# KiCad board vcu.kicad_pcb (continued)
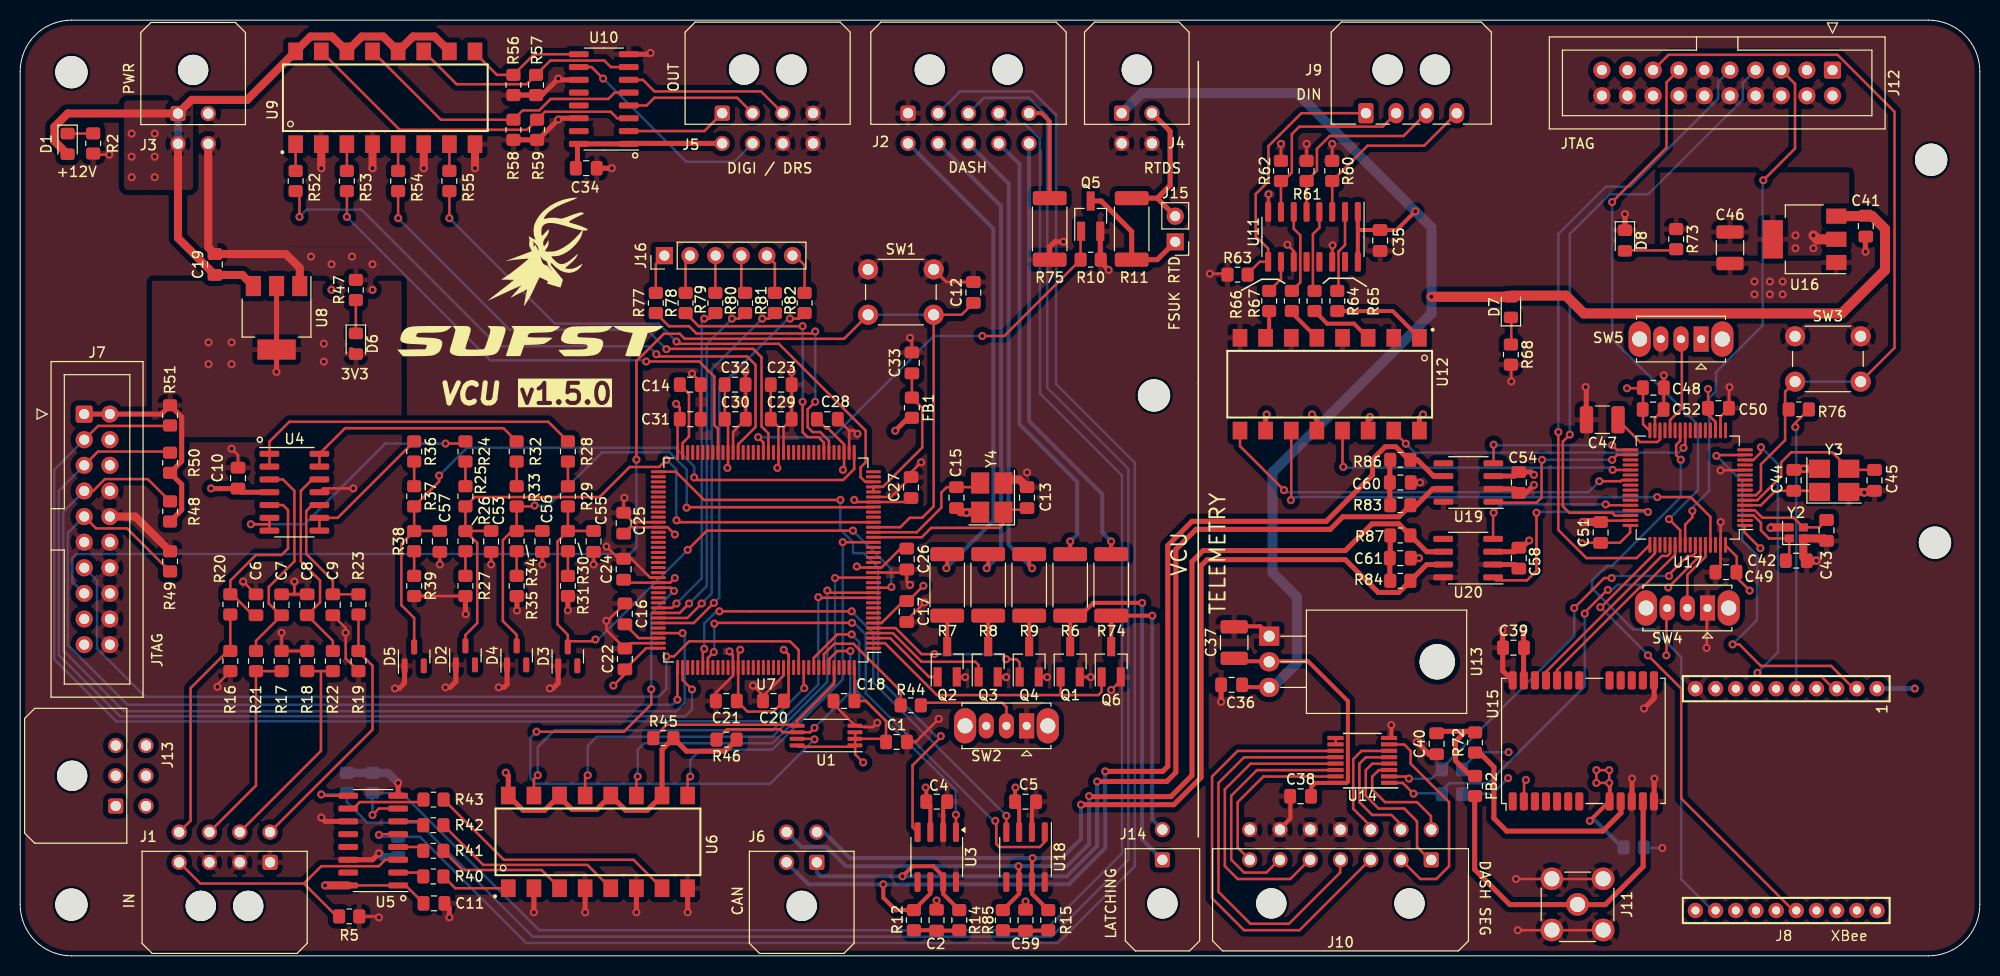
[diagram p0: board, top side]
## Footprints (pads in the part's own frame, mm; a bottom-side part is the same pattern mirrored in y, then rotated)
C_0805_2012Metric_Pad1.18x1.45mm_HandSolder
  rrect 1.175x1.45 smd: 1(-1.038,0) 2(1.038,0)
C_1210_3225Metric_Pad1.33x2.70mm_HandSolder
  rrect 1.325x2.7 smd: 1(-1.562,0) 2(1.562,0)
Crystal_SMD_2016-4Pin_2.0x1.6mm
  rect 0.9x0.8 smd: 1(-0.7,-0.55) 2(0.7,-0.55) 3(0.7,0.55) 4(-0.7,0.55)
Crystal_SMD_3225-4Pin_3.2x2.5mm_HandSoldering
  rect 2.1x1.8 smd: 1(-1.45,-1.15) 2(1.45,-1.15) 3(1.45,1.15) 4(-1.45,1.15)
IDC-Header_2x10_P2.54mm_Vertical
  rrect 1.7x1.7 hole 1: 1(0,0)
  round 1.7 hole 1: 2(2.54,0) 3(0,-2.54) 4(2.54,-2.54) 5(0,-5.08) 6(2.54,-5.08) 7(0,-7.62) 8(2.54,-7.62) 9(0,-10.16) 10(2.54,-10.16) 11(0,-12.7) 12(2.54,-12.7) 13(0,-15.24) 14(2.54,-15.24) 15(0,-17.78) 16(2.54,-17.78) 17(0,-20.32) 18(2.54,-20.32) 19(0,-22.86) 20(2.54,-22.86)
LED_0805_2012Metric_Pad1.15x1.40mm_HandSolder
  rrect 1.15x1.4 smd: 1(-1.025,0) 2(1.025,0)
LQFP-64_10x10mm_P0.5mm
  rrect 1.55x0.3 smd: 1(-5.675,3.75) 2(-5.675,3.25) 3(-5.675,2.75) 4(-5.675,2.25) 5(-5.675,1.75) 6(-5.675,1.25) 7(-5.675,0.75) 8(-5.675,0.25) 9(-5.675,-0.25) 10(-5.675,-0.75) 11(-5.675,-1.25) 12(-5.675,-1.75) 13(-5.675,-2.25) 14(-5.675,-2.75) 15(-5.675,-3.25) 16(-5.675,-3.75) 33(5.675,-3.75) 34(5.675,-3.25) 35(5.675,-2.75) 36(5.675,-2.25) 37(5.675,-1.75) 38(5.675,-1.25) 39(5.675,-0.75) 40(5.675,-0.25) 41(5.675,0.25) 42(5.675,0.75) 43(5.675,1.25) 44(5.675,1.75) 45(5.675,2.25) 46(5.675,2.75) 47(5.675,3.25) 48(5.675,3.75)
  rrect 0.3x1.55 smd: 17(-3.75,-5.675) 18(-3.25,-5.675) 19(-2.75,-5.675) 20(-2.25,-5.675) 21(-1.75,-5.675) 22(-1.25,-5.675) 23(-0.75,-5.675) 24(-0.25,-5.675) 25(0.25,-5.675) 26(0.75,-5.675) 27(1.25,-5.675) 28(1.75,-5.675) 29(2.25,-5.675) 30(2.75,-5.675) 31(3.25,-5.675) 32(3.75,-5.675) 49(3.75,5.675) 50(3.25,5.675) 51(2.75,5.675) 52(2.25,5.675) 53(1.75,5.675) 54(1.25,5.675) 55(0.75,5.675) 56(0.25,5.675) 57(-0.25,5.675) 58(-0.75,5.675) 59(-1.25,5.675) 60(-1.75,5.675) 61(-2.25,5.675) 62(-2.75,5.675) 63(-3.25,5.675) 64(-3.75,5.675)
LQFP-144_20x20mm_P0.5mm
  rrect 1.475x0.3 smd: 1(-10.662,8.75) 2(-10.662,8.25) 3(-10.662,7.75) 4(-10.662,7.25) 5(-10.662,6.75) 6(-10.662,6.25) 7(-10.662,5.75) 8(-10.662,5.25) 9(-10.662,4.75) 10(-10.662,4.25) 11(-10.662,3.75) 12(-10.662,3.25) 13(-10.662,2.75) 14(-10.662,2.25) 15(-10.662,1.75) 16(-10.662,1.25) 17(-10.662,0.75) 18(-10.662,0.25) 19(-10.662,-0.25) 20(-10.662,-0.75) 21(-10.662,-1.25) 22(-10.662,-1.75) 23(-10.662,-2.25) 24(-10.662,-2.75) 25(-10.662,-3.25) 26(-10.662,-3.75) 27(-10.662,-4.25) 28(-10.662,-4.75) 29(-10.662,-5.25) 30(-10.662,-5.75) 31(-10.662,-6.25) 32(-10.662,-6.75) 33(-10.662,-7.25) 34(-10.662,-7.75) 35(-10.662,-8.25) 36(-10.662,-8.75) 73(10.662,-8.75) 74(10.662,-8.25) 75(10.662,-7.75) 76(10.662,-7.25) 77(10.662,-6.75) 78(10.662,-6.25) 79(10.662,-5.75) 80(10.662,-5.25) 81(10.662,-4.75) 82(10.662,-4.25) 83(10.662,-3.75) 84(10.662,-3.25) 85(10.662,-2.75) 86(10.662,-2.25) 87(10.662,-1.75) 88(10.662,-1.25) 89(10.662,-0.75) 90(10.662,-0.25) 91(10.662,0.25) 92(10.662,0.75) 93(10.662,1.25) 94(10.662,1.75) 95(10.662,2.25) 96(10.662,2.75) 97(10.662,3.25) 98(10.662,3.75) 99(10.662,4.25) 100(10.662,4.75) 101(10.662,5.25) 102(10.662,5.75) 103(10.662,6.25) 104(10.662,6.75) 105(10.662,7.25) 106(10.662,7.75) 107(10.662,8.25) 108(10.662,8.75)
  rrect 0.3x1.475 smd: 37(-8.75,-10.662) 38(-8.25,-10.662) 39(-7.75,-10.662) 40(-7.25,-10.662) 41(-6.75,-10.662) 42(-6.25,-10.662) 43(-5.75,-10.662) 44(-5.25,-10.662) 45(-4.75,-10.662) 46(-4.25,-10.662) 47(-3.75,-10.662) 48(-3.25,-10.662) 49(-2.75,-10.662) 50(-2.25,-10.662) 51(-1.75,-10.662) 52(-1.25,-10.662) 53(-0.75,-10.662) 54(-0.25,-10.662) 55(0.25,-10.662) 56(0.75,-10.662) 57(1.25,-10.662) 58(1.75,-10.662) 59(2.25,-10.662) 60(2.75,-10.662) 61(3.25,-10.662) 62(3.75,-10.662) 63(4.25,-10.662) 64(4.75,-10.662) 65(5.25,-10.662) 66(5.75,-10.662) 67(6.25,-10.662) 68(6.75,-10.662) 69(7.25,-10.662) 70(7.75,-10.662) 71(8.25,-10.662) 72(8.75,-10.662) 109(8.75,10.662) 110(8.25,10.662) 111(7.75,10.662) 112(7.25,10.662) 113(6.75,10.662) 114(6.25,10.662) 115(5.75,10.662) 116(5.25,10.662) 117(4.75,10.662) 118(4.25,10.662) 119(3.75,10.662) 120(3.25,10.662) 121(2.75,10.662) 122(2.25,10.662) 123(1.75,10.662) 124(1.25,10.662) 125(0.75,10.662) 126(0.25,10.662) 127(-0.25,10.662) 128(-0.75,10.662) 129(-1.25,10.662) 130(-1.75,10.662) 131(-2.25,10.662) 132(-2.75,10.662) 133(-3.25,10.662) 134(-3.75,10.662) 135(-4.25,10.662) 136(-4.75,10.662) 137(-5.25,10.662) 138(-5.75,10.662) 139(-6.25,10.662) 140(-6.75,10.662) 141(-7.25,10.662) 142(-7.75,10.662) 143(-8.25,10.662) 144(-8.75,10.662)
Molex_Micro-Fit_3.0_43045-0200_2x01_P3.00mm_Horizontal
  round 3 hole 3 unplated: (0,4.32)
  rrect 1.5x1.5 hole 1.02: 1(0,0)
  round 1.5 hole 1.02: 2(0,-3)
Molex_Micro-Fit_3.0_43045-0400_2x02_P3.00mm_Horizontal
  round 3 hole 3 unplated: (1.5,4.32)
  rrect 1.5x1.5 hole 1.02: 1(0,0)
  round 1.5 hole 1.02: 2(3,0) 3(0,-3) 4(3,-3)
Molex_Micro-Fit_3.0_43045-0600_2x03_P3.00mm_Horizontal
  round 3 hole 3 unplated: (3,4.32)
  rrect 1.5x1.5 hole 1.02: 1(0,0)
  round 1.5 hole 1.02: 2(3,0) 3(6,0) 4(0,-3) 5(3,-3) 6(6,-3)
Molex_Micro-Fit_3.0_43045-0800_2x04_P3.00mm_Horizontal
  round 3 hole 3 unplated: (2.16,4.32) (6.86,4.32)
  rrect 1.5x1.5 hole 1.02: 1(0,0)
  round 1.5 hole 1.02: 2(3,0) 3(6,0) 4(9,0) 5(0,-3) 6(3,-3) 7(6,-3) 8(9,-3)
Molex_Micro-Fit_3.0_43045-1000_2x05_P3.00mm_Horizontal
  round 3 hole 3 unplated: (2.16,4.32) (9.86,4.32)
  rrect 1.5x1.5 hole 1.02: 1(0,0)
  round 1.5 hole 1.02: 2(3,0) 3(6,0) 4(9,0) 5(12,0) 6(0,-3) 7(3,-3) 8(6,-3) 9(9,-3) 10(12,-3)
Molex_Micro-Fit_3.0_43045-1400_2x07_P3.00mm_Horizontal
  round 3 hole 3 unplated: (2.16,4.32) (15.86,4.32)
  rrect 1.5x1.5 hole 1.02: 1(0,0)
  round 1.5 hole 1.02: 2(3,0) 3(6,0) 4(9,0) 5(12,0) 6(15,0) 7(18,0) 8(0,-3) 9(3,-3) 10(6,-3) 11(9,-3) 12(12,-3) 13(15,-3) 14(18,-3)
Molex_Micro-Fit_3.0_43650-0400_1x04_P3.00mm_Horizontal
  round 3 hole 3 unplated: (2.15,4.32) (6.85,4.32)
  rrect 1.5x2.02 hole 1.02: 1(0,0)
  oval 1.5x2.02 hole 1.02: 2(3,0) 3(6,0) 4(9,0)
MountingHole_3.2mm_M3
  round 3.2 hole 3.2 unplated: (0,0)
PinHeader_1x02_P2.54mm_Vertical
  rect 1.7x1.7 hole 1: 1(0,0)
  oval 1.7x1.7 hole 1: 2(0,-2.54)
PinHeader_1x06_P2.54mm_Vertical
  rect 1.7x1.7 hole 1: 1(0,0)
  oval 1.7x1.7 hole 1: 2(0,-2.54) 3(0,-5.08) 4(0,-7.62) 5(0,-10.16) 6(0,-12.7)
QSOP-16_3.9x4.9mm_P0.635mm
  rect 1.6x0.41 smd: 1(-2.654,2.223) 2(-2.654,1.587) 3(-2.654,0.953) 4(-2.654,0.318) 5(-2.654,-0.318) 6(-2.654,-0.953) 7(-2.654,-1.587) 8(-2.654,-2.223) 9(2.654,-2.223) 10(2.654,-1.587) 11(2.654,-0.953) 12(2.654,-0.318) 13(2.654,0.318) 14(2.654,0.953) 15(2.654,1.587) 16(2.654,2.223)
R_0805_2012Metric_Pad1.20x1.40mm_HandSolder
  rrect 1.2x1.4 smd: 1(-1,0) 2(1,0)
R_2512_6332Metric_Pad1.40x3.35mm_HandSolder
  rrect 1.4x3.35 smd: 1(-3.05,0) 2(3.05,0)
SMA_Molex_73251-2200_Horizontal
  round 2.25 hole 1.5: 1(0,0) 2(-2.54,2.54) 2(-2.54,-2.54) 2(2.54,2.54) 2(2.54,-2.54)
SOIC254P1005X380-16N
  rect 1.75x1.45 smd: 1(-4.6,8.89) 2(-4.6,6.35) 3(-4.6,3.81) 4(-4.6,1.27) 5(-4.6,-1.27) 6(-4.6,-3.81) 7(-4.6,-6.35) 8(-4.6,-8.89) 9(4.6,-8.89) 10(4.6,-6.35) 11(4.6,-3.81) 12(4.6,-1.27) 13(4.6,1.27) 14(4.6,3.81) 15(4.6,6.35) 16(4.6,8.89)
SOIC-8_3.9x4.9mm_P1.27mm
  rrect 1.95x0.6 smd: 1(-2.475,1.905) 2(-2.475,0.635) 3(-2.475,-0.635) 4(-2.475,-1.905) 5(2.475,-1.905) 6(2.475,-0.635) 7(2.475,0.635) 8(2.475,1.905)
SOIC-14_3.9x8.7mm_P1.27mm
  rrect 1.95x0.6 smd: 1(-2.475,3.81) 2(-2.475,2.54) 3(-2.475,1.27) 4(-2.475,0) 5(-2.475,-1.27) 6(-2.475,-2.54) 7(-2.475,-3.81) 8(2.475,-3.81) 9(2.475,-2.54) 10(2.475,-1.27) 11(2.475,0) 12(2.475,1.27) 13(2.475,2.54) 14(2.475,3.81)
SOIC-16_3.9x9.9mm_P1.27mm
  rrect 1.95x0.6 smd: 1(-2.475,4.445) 2(-2.475,3.175) 3(-2.475,1.905) 4(-2.475,0.635) 5(-2.475,-0.635) 6(-2.475,-1.905) 7(-2.475,-3.175) 8(-2.475,-4.445) 9(2.475,-4.445) 10(2.475,-3.175) 11(2.475,-1.905) 12(2.475,-0.635) 13(2.475,0.635) 14(2.475,1.905) 15(2.475,3.175) 16(2.475,4.445)
SOT-23
  rrect 1.475x0.6 smd: 1(-0.938,0.95) 2(-0.938,-0.95) 3(0.938,0)
SOT-23_Handsoldering
  rect 1.9x0.8 smd: 1(-1.5,0.95) 2(-1.5,-0.95) 3(1.5,0)
SOT-223-3_TabPin2
  rect 2x1.5 smd: 1(-3.15,2.3) 2(-3.15,0) 3(-3.15,-2.3)
  rect 2x3.8 smd: 2(3.15,0)
SW_PUSH_6mm
  round 2 hole 1.1: 1(0,0) 1(6.5,0) 2(0,-4.5) 2(6.5,-4.5)
SW_Slide_1P2T_CK_OS102011MS2Q
  oval 2.2x3.5 hole 1.5: (-2.1,0) (6.1,0)
  rect 1.5x2.5 hole 0.8: 1(0,0)
  oval 1.5x2.5 hole 0.8: 2(2,0) 3(4,0)
TO-220-3_Horizontal_TabDown
  oval 3.5x3.5 hole 3.5 unplated: (2.54,16.66)
  rect 1.905x2 hole 1.1: 1(0,0)
  oval 1.905x2 hole 1.1: 2(2.54,0) 3(5.08,0)
TSSOP-8_4.4x3mm_P0.65mm
  rrect 1.475x0.4 smd: 1(-2.862,0.975) 2(-2.862,0.325) 3(-2.862,-0.325) 4(-2.862,-0.975) 5(2.862,-0.975) 6(2.862,-0.325) 7(2.862,0.325) 8(2.862,0.975)
ublox_NEO
  rrect 1.8x0.8 smd: 1(-6,7) 2(-6,5.9) 3(-6,4.8) 4(-6,3.7) 5(-6,2.6) 6(-6,1.5) 7(-6,0.4) 8(-6,-2.6) 9(-6,-3.7) 10(-6,-4.8) 11(-6,-5.9) 12(-6,-7) 13(6,-7) 14(6,-5.9) 15(6,-4.8) 16(6,-3.7) 17(6,-2.6) 18(6,0.4) 19(6,1.5) 20(6,2.6) 21(6,3.7) 22(6,4.8) 23(6,5.9) 24(6,7)
XBEE
  round 1.524 hole 0.798: 1(-10.998,20) 2(-10.998,17.998) 3(-10.998,15.999) 4(-10.998,13.998) 5(-10.998,11.999) 6(-10.998,10) 7(-10.998,7.998) 8(-10.998,5.999) 9(-10.998,3.998) 10(-10.998,1.999) 11(10.998,1.999) 12(10.998,3.998) 13(10.998,5.999) 14(10.998,7.998) 15(10.998,10) 16(10.998,11.999) 17(10.998,13.998) 18(10.998,15.999) 19(10.998,17.998) 20(10.998,20)

## Nets
+3.3V: C1.1 C4.2 C5.2 C17.1 C18.1 C20.1 C21.1 C22.1 C23.1 C24.1 C25.1 C26.1 C27.1 C28.1 C29.1 C30.1 C31.1 C32.1 D6.2 FB1.2 J7.1 J7.2 R45.2 R46.1 R48.2 R50.2 R51.2 SW2.3 U1.1 U1.2 U1.3 U1.8 U3.3 U6.10 U6.12 U6.14 U6.16 U7.6 U7.17 U7.30 U7.39 U7.52 U7.62 U7.72 U7.84 U7.95 U7.108 U7.121 U7.131 U7.144 U8.2 U18.3
+3.3VA: C33.1 FB1.1 U7.32 U7.33
+3.3VT: C39.2 C46.2 C48.1 C49.1 C50.1 C51.1 C52.1 C54.2 C58.2 J8.1 J12.1 J12.2 R69.1 R70.1 R71.1 R73.1 SW4.3 SW5.1 U12.10 U12.12 U12.14 U12.16 U15.2 U15.8 U15.23 U16.2 U17.1 U17.19 U17.32 U17.48 U17.64 U19.3 U20.3
+12V: C10.2 C11.2 C19.1 C34.2 C35.2 C36.2 C41.2 D1.2 D7.2 J3.1 J3.3 J4.1 J5.5 J13.1 J13.2 J13.3 J13.4 J13.5 J13.6 U4.4 U5.1 U5.16 U8.3 U9.10 U9.12 U9.14 U9.16 U10.1 U10.16 U11.1 U11.16 U13.3 U16.3
/Telemetry/3V3_LED: C37.1 C38.2 U13.2 U14.16
GND: C1.2 C2.2 C4.1 C5.1 C6.1 C7.1 C8.1 C9.1 C10.1 C11.1 C12.2 C13.2 C14.1 C15.2 C16.1 C17.2 C18.2 C19.2 C20.2 C21.2 C22.2 C23.2 C24.2 C25.2 C26.2 C27.2 C28.2 C29.2 C30.2 C31.2 C32.2 C33.2 C34.1 C35.1 C36.1 C37.2 C38.1 C39.1 C40.1 C41.1 C42.1 C43.1 C44.1 C45.1 C46.1 C47.2 C48.2 C49.2 C50.2 C51.2 C52.2 C53.1 C54.1 C55.1 C56.1 C57.1 C58.1 C59.2 C60.2 C61.2 D2.1 D3.1 D4.1 D5.1 D8.1 J1.1 J1.2 J1.3 J2.1 J3.2 J3.4 J4.3 J4.4 J5.4 J5.7 J5.8 J7.4 J7.6 J7.8 J7.10 J7.11 J7.12 J7.14 J7.16 J7.18 J7.20 J8.10 J10.11 J10.12 J10.13 J10.14 J11.2 J12.4 J12.6 J12.8 J12.10 J12.11 J12.12 J12.14 J12.16 J12.18 J12.20 Q1.2 Q2.2 Q3.2 Q4.2 Q5.2 Q6.2 R1.2 R2.2 R3.2 R4.2 R5.2 R10.1 R16.2 R17.2 R18.2 R19.2 R27.2 R31.2 R35.2 R39.2 R47.2 R49.1 R56.2 R57.2 R58.2 R59.2 R60.1 R61.1 R62.1 R63.1 R68.2 R71.2 R75.2 SW1.1 SW2.1 SW3.1 SW4.1 SW5.3 U1.4 U3.2 U3.8 U4.11 U5.8 U5.11 U5.14 U6.2 U6.4 U6.6 U6.8 U7.16 U7.31 U7.38 U7.51 U7.61 U7.83 U7.94 U7.107 U7.120 U7.130 U8.1 U9.2 U9.4 U9.6 U9.8 U10.8 U10.11 U10.14 U11.8 U11.11 U11.14 U12.2 U12.4 U12.6 U12.8 U13.1 U14.8 U15.10 U15.12 U15.13 U15.24 U16.1 U17.12 U17.18 U17.31 U17.47 U17.63 U18.2 U18.8 U19.2 U19.8 U20.2 U20.8 Y2.2 Y2.4 Y3.2 Y3.4 Y4.2 Y4.4
/APPS_1_IN: J1.5 R19.1 R23.1
/APPS_2_IN: J1.6 R18.1 R22.1
/BMS_LED: J2.9 R6.1
/BPS_IN: J1.8 R16.1 R20.1
/BRAKE_PRESSED: J5.2 U10.4
/CAN_C_H: J6.3 R15.2 R84.2 U18.7 U20.7
/CAN_C_L: J6.4 R85.1 R87.1 U18.6 U20.6
/CAN_S_H: J6.1 R14.2 R83.2 U3.7 U19.7
/CAN_S_L: J6.2 R12.1 R86.1 U3.6 U19.6
/DRS_BTN: J2.3 R3.1 U5.9
/DRS_LED: J2.6 R7.1
/DRS_LED_ON: Q2.1 U7.3
/DRS_PWM: J5.6 U10.10
/EEPROM_SCL: R46.2 U1.6 U7.139
/EEPROM_SDA: R45.1 U1.5 U7.140
/EEPROM_WC: U1.7 U7.96
/IMD_LED: J2.10 R74.1
/Input Shift/APPS_1_OUT: C57.2 D5.3 R37.2 R38.1 U7.37
/Input Shift/APPS_2_OUT: C56.2 D4.3 R33.2 R34.1 U7.29
/Input Shift/BPS_OUT: C53.2 D2.3 R25.2 R26.1 U7.26
/Input Shift/DOUT_1: U6.15 U7.11
/Input Shift/DOUT_2: U6.13 U7.12
/Input Shift/DOUT_3: U6.11 U7.15
/Input Shift/DOUT_4: U6.9 U7.22
/Input Shift/SAGL_OUT: C55.2 D3.3 R29.2 R30.1 U7.13
/LVS_LED: J2.5 R75.1
/Output Level Shifting/DIN_1: R52.1 U7.60
/Output Level Shifting/DIN_2: R53.1 U7.64
/Output Level Shifting/DIN_3: R54.1 U7.54
/Output Level Shifting/DIN_4: R55.1 U7.34
/R2D_BTN: J2.2 R1.1 U5.5
/R2D_LED: J2.8 R9.1
/R2D_LED_ON: Q4.1 U7.5
/R2D_SIREN_ON: Q5.1 R10.2 U7.55
/RTDS-: J4.2 J15.2 R11.2
/SAGL_IN: J1.7 R17.1 R21.1
/SHDN_STATE: J1.4 R5.1 U5.3
/STATUS: J5.1 U10.2
/STM32-F746ZG/BOOT0: R44.2 U7.138
/STM32-F746ZG/CAN1_RX: U7.114 U18.4
/STM32-F746ZG/CAN1_TX: U7.115 U18.1
/STM32-F746ZG/CAN2_RX: U3.4 U7.73
/STM32-F746ZG/CAN2_TX: U3.1 U7.136
/STM32-F746ZG/NRST: C12.1 J7.15 SW1.2 U7.25
/STM32-F746ZG/PWR_LED_K: D6.1 R47.1
/STM32-F746ZG/SW_BOOT0: R44.1 SW2.2
/STM32-F746ZG/TCK/SWDCLK: J7.9 R49.2 U7.109
/STM32-F746ZG/TDI: J7.5 R50.1 U7.110
/STM32-F746ZG/TDO/SWO: J7.13 U7.133
/STM32-F746ZG/TMS/SWDIO: J7.7 R48.1 U7.105
/STM32-F746ZG/TRST: J7.3 R51.1 U7.134
/Telemetry/CAN1_RX: U17.44 U20.4
/Telemetry/CAN1_TX: U17.45 U20.1
/Telemetry/CAN2_RX: U17.33 U19.4
/Telemetry/CAN2_TX: U17.34 U19.1
/Telemetry/GPS/GPS_RX: U15.21 U17.53
/Telemetry/GPS/GPS_TX: U15.20 U17.54
/Telemetry/SEG0: J10.1 U14.4
/Telemetry/SEG1: J10.9 U14.5
/Telemetry/SEG2: J10.10 U14.6
/Telemetry/SEG3: J10.2 U14.7
/Telemetry/SEG4: J10.3 U14.11
/Telemetry/SEG5: J10.4 U14.12
/Telemetry/SEG6: J10.5 U14.13
/Telemetry/SEG7: J10.6 U14.14
/Telemetry/SEG8: J10.7 U14.15
/Telemetry/SEG9: J10.8 U14.3
/Telemetry/telemetry input shift/DIN_1: J9.4 R60.2 U11.3
/Telemetry/telemetry input shift/DIN_2: J9.3 R61.2 U11.5
/Telemetry/telemetry input shift/DIN_3: J9.2 R62.2 U11.7
/Telemetry/telemetry input shift/DIN_4: J9.1 R63.2 U11.9
/Telemetry/telemetry input shift/DOUT_1: U12.15 U17.25
/Telemetry/telemetry input shift/DOUT_2: U12.13 U17.37
/Telemetry/telemetry input shift/DOUT_3: U12.11 U17.61
/Telemetry/telemetry input shift/DOUT_4: U12.9 U17.39
/Telemetry/telemetrymcu/BOOT0: SW4.2 U17.60
/Telemetry/telemetrymcu/BOOT1: SW5.2 U17.28
/Telemetry/telemetrymcu/I2C1_SCL: R69.2 U14.2 U17.58
/Telemetry/telemetrymcu/I2C1_SDA: R70.2 U14.1 U17.59
/Telemetry/telemetrymcu/OSC_IN: C44.2 U17.5 Y3.1
/Telemetry/telemetrymcu/OSC_OUT: C45.2 U17.6 Y3.3
/Telemetry/telemetrymcu/PWR_LED: D8.2 R73.2
/Telemetry/XBee Module/DIN/`CONFIG/DIO14: J8.3 U17.14
/Telemetry/XBee Module/DOUT/DIO13: J8.2 U17.15
/Telemetry/XBee Module/ON_INDICATOR: J8.13
/Telemetry/XBee Module/SPI_CLK: J8.18
/Telemetry/XBee Module/SPI_MISO: J8.4
/Telemetry/XBee Module/SPI_MOSI: J8.11
/Telemetry/XBee Module/SPI_~ATTN: J8.19
/Telemetry/XBee Module/SPI_~SSEL: J8.17
/Telemetry/XBee Module/~CTS: J8.12 U17.26
/Telemetry/XBee Module/~RESET: J8.5 R76.2
/Telemetry/XBee Module/~RTS: J8.16 U17.50
/TS_ON: J5.3 U10.6
/TS_ON_BTN: J2.4 R4.1 U5.7
/TS_ON_LED: J2.7 R8.1
/TS_ON_LED_ON: Q3.1 U7.4
/VC_LEDS_ON: Q1.1 Q6.1 U7.2
JTDI: J12.5 U17.56
JTDO: J12.13 U17.55
NRST: J12.15 R76.1 SW3.2 U17.7
SWDCLK: J12.9 U17.49
SWDIO: J12.7 U17.46
Net-(C2-Pad1): C2.1 R12.2 R14.1
Net-(C40-Pad2): C40.2 FB2.1 R72.2
Net-(C59-Pad1): C59.1 R15.1 R85.2
Net-(C60-Pad1): C60.1 R83.1 R86.2
Net-(C61-Pad1): C61.1 R84.1 R87.2
Net-(D1-K): D1.1 R2.1
Net-(D7-K): D7.1 R68.1
Net-(J11-In): FB2.2 J11.1 U15.11
Net-(J14-Pin_1): J14.1 Q1.3 R6.2
Net-(J14-Pin_2): J14.2 Q6.3 R74.2
Net-(J15-Pin_1): J15.1 Q5.3 R11.1
Net-(J16-Pin_1): J16.1 R77.2
Net-(J16-Pin_2): J16.2 R78.2
Net-(J16-Pin_3): J16.3 R79.2
Net-(J16-Pin_4): J16.4 R80.2
Net-(J16-Pin_5): J16.5 R81.2
Net-(J16-Pin_6): J16.6 R82.2
Net-(Q2-D): Q2.3 R7.2
Net-(Q3-D): Q3.3 R8.2
Net-(Q4-D): Q4.3 R9.2
Net-(R24-Pad2): R24.2 R25.1
Net-(R26-Pad2): R26.2 R27.1
Net-(R28-Pad2): R28.2 R29.1
Net-(R30-Pad2): R30.2 R31.1
Net-(R32-Pad2): R32.2 R33.1
Net-(R34-Pad2): R34.2 R35.1
Net-(R36-Pad2): R36.2 R37.1
Net-(R38-Pad2): R38.2 R39.1
Net-(R40-Pad2): R40.2 U6.1
Net-(R41-Pad2): R41.2 U6.3
Net-(R42-Pad2): R42.2 U6.5
Net-(R43-Pad2): R43.2 U6.7
Net-(R52-Pad2): R52.2 U9.1
Net-(R53-Pad2): R53.2 U9.3
Net-(R54-Pad2): R54.2 U9.5
Net-(R55-Pad2): R55.2 U9.7
Net-(R64-Pad2): R64.2 U12.1
Net-(R65-Pad2): R65.2 U12.3
Net-(R66-Pad2): R66.2 U12.5
Net-(R67-Pad2): R67.2 U12.7
Net-(U4A-+): C7.2 R21.2 U4.3
Net-(U4A--): R28.1 U4.1 U4.2
Net-(U4B-+): C6.2 R20.2 U4.5
Net-(U4B--): R24.1 U4.6 U4.7
Net-(U4C-+): C9.2 R23.2 U4.10
Net-(U4C--): R36.1 U4.8 U4.9
Net-(U4D-+): C8.2 R22.2 U4.12
Net-(U4D--): R32.1 U4.13 U4.14
Net-(U5-Aout): R40.1 U5.2
Net-(U5-Bout): R41.1 U5.4
Net-(U5-Cout): R42.1 U5.6
Net-(U5-Dout): R43.1 U5.10
Net-(U7-PA6): R77.1 U7.42
Net-(U7-PA7): R78.1 U7.43
Net-(U7-PA8): R79.1 U7.100
Net-(U7-PA9): R80.1 U7.101
Net-(U7-PA10): R81.1 U7.102
Net-(U7-PA11): R82.1 U7.103
Net-(U7-PH0): C13.1 U7.23 Y4.1
Net-(U7-PH1): C15.1 U7.24 Y4.3
Net-(U7-VCAP_1): C14.2 U7.71
Net-(U7-VCAP_2): C16.2 U7.106
Net-(U10-Ain): R59.1 U9.15 U10.3
Net-(U10-Bin): R58.1 U9.13 U10.5
Net-(U10-Cin): R57.1 U9.11 U10.7
Net-(U10-Din): R56.1 U9.9 U10.9
Net-(U11-Aout): R64.1 U11.2
Net-(U11-Bout): R65.1 U11.4
Net-(U11-Cout): R66.1 U11.6
Net-(U11-Dout): R67.1 U11.10
Net-(U15-VCC_RF): R72.1 U15.9
Net-(U17-PC14): C42.2 U17.3 Y2.1
Net-(U17-PC15): C43.2 U17.4 Y2.3
Net-(U17-VCAP_1): C47.1 U17.30

Pads without a net: D2 2; D3 2; D4 2; D5 2; J7 17 19; J8 6 7 8 9 14 15 20; J12 3 17 19; U3 5; U5 12 13 15; U7 1 7 8 9 10 14 18 19 20 21 27 28 35 36 40 41 44 45 46 47 48 49 50 53 56 57 58 59 63 65 66 67 68 69 70 74 75 76 77 78 79 80 81 82 85 86 87 88 89 90 91 92 93 97 98 99 104 111 112 113 116 117 118 119 122 123 124 125 126 127 128 129 132 135 137 141 142 143; U10 12 13 15; U11 12 13 15; U14 9 10; U15 1 3 4 5 6 7 14 15 16 17 18 19 22; U17 2 8 9 10 11 13 16 17 20 21 22 23 24 27 29 35 36 38 40 41 42 43 51 52 57 62; U18 5; U19 5; U20 5

## Via types
v1: diameter 0.8, hole 0.4, Top to Bottom, 293 vias

## Routing (per net, layer and track width the routed paths; a pad name or vN(x,y) marks a point on that pad's centre or on a via; arc(x,y) is an arc through that point)
+3.3V: length 179
  Top w0.25: v1(81.56,48.19) 81.56,48.44 81.67,48.55 U7.39 81.67,50.72 81.41,50.98 81.41,50.98 80.12,52.27 79.91,52.27 C28.1 79.01,53.25 ; C32.1 69.85,56.62 C30.1 70.17,52.89 U7.62 70.17,48.45 v1(70.1,48.39) ; v1(82.68,45.21) 82.88,45 U7.30 87.91,45 C27.1 ; U7.108 62.04,30.5 C22.1 59.94,27.94 v1(58.8,26.8) ; 82.77,21.52 85.52,21.52 ; C1.1 85.83,23.27 83.83,25.27 C18.1 82.7,28.56 U7.144 ; 82.77,20.87 82.77,22.17 ; 82.77,20.87 82.64,20.74 77.12,20.74 76.99,20.87 ; 82.77,20.87 82.77,19.97 v1(83.57,19.18) ; U7.72 65.17,53 C31.1 65.38,54.38 v1(65.02,54.74) ; C25.1 60.45,42.5 U7.84 64.18,42.5 v1(64.9,41.78) ; v1(89.53,36.7) 88.01,35.18 C17.1 87.56,35.18 85.39,33 U7.6 ; v1(75.69,30.35) 76.17,29.88 U7.131 76.17,25.73 C20.1 74.66,24.22 72.09,24.22 C21.1 71.17,25.41 U7.121 71.17,30.15 v1(71.37,30.35) ; v1(75.06,48.39) 75.17,48.5 U7.52 75.17,52.44 C29.1 C23.1 ; v1(64.9,37.47) 64.44,37 U7.95 60.11,37 C24.1 ; v1(82.93,38.61) 83.03,38.5 U7.17 85.39,38.5 87.27,40.39 C26.1
  Top w0.4: v1(98.66,16.69) 98.62,16.65 C5.2 99.02,14.89 U18.3 ; 90.22,12.26 90.22,14.89 C4.2 89.82,16.63 v1(89.76,16.69)
  Top w0.5: R46.1 69.87,20.29 66.05,20.29 R45.2 63.62,20.46 U6.10 62.15,14.43 60.02,14.43 U6.12 57.17,14.53 54.69,14.53 53.46,15.75 U6.14 51.99,14.43 49.86,14.43 U6.16 48.38,17.91 v1(48.13,18.16) ; v1(86.74,52.07) 88.03,53.36 FB1.2 ; R48.2 16.01,44.22 16.01,46.75 R50.2 16.01,49.05 16.01,53.44 R51.2 13.99,53.72 J7.2 J7.1 ; 32.83,60.12 D6.2 ; U8.2 U8.2 25.41,57.93 v1(25.4,57.91)
  vias: v1(18.67,60.83) v1(18.67,58.67) v1(20.95,60.83) v1(20.95,58.67) v1(30.1,60.71) v1(30.1,58.93)
+3.3VA: length 14.7
  Top w0.25: U7.32 U7.33 85.52,46.5 89.42,50.4 89.42,54.33 FB1.1 C33.1
+3.3VT: length 84.2
  Top w0.25: v1(149.26,17.45) 149.08,17.27 149.08,15.26 ; v1(159.28,56.29) 159.28,56.29 160.84,56.29 160.87,56.26 160.87,52.72 161.51,52.08 ; U17.64 169.05,40.69 170.16,39.58 170.16,37.5 v1(171.44,36.22) ; 163.19,34.44 163.19,29.81 v1(163.18,29.8) ; U17.19 168.05,52.95 167.31,53.69 C50.1 ; 159.59,42.66 159.59,41.97 158.58,40.96 154.87,40.96 v1(154.82,40.91) ; 170.94,42.66 170.94,41.99 v1(172.5,40.42) ; v1(167.3,56.21) 167.32,56.19 167.32,53.61 ; v1(156.25,18.42) v1(157.52,18.42) v1(157.52,17.14) v1(156.25,17.14) v1(156.25,18.42)
  Top w0.4: v1(155.6,13.39) 157.47,15.26 157.58,15.26 157.58,17.08 v1(157.52,17.14)
  Top w0.5: 149.01,30.78 149.01,32.3 v1(149.02,32.3) ; U12.12 128.54,53.21 v1(128.06,53.69) ; v1(149.58,41.19) 148.87,40.48 C58.2 148.16,40.07 U20.3 ; 149.03,30.78 149.03,27.31 ; v1(150.06,47.7) 149.78,47.98 C54.2 148.16,47.57 U19.3 ; v1(123.56,53.69) 123.46,53.59 U12.10 ; v1(139.06,53.69) 138.7,53.33 U12.16 ; U12.14 133.62,53.25 v1(133.81,53.44)
  Top w1: v1(177.76,71.44) 178.14,71.06 U16.2
  Bottom w0.25: v1(147.49,17.63) 145.94,16.08 142.62,16.08 142.64,16.1 142.66,16.1 ; v1(147.54,20.19) 144.53,20.19 142.68,18.34
  Bottom w0.4: v1(155.6,13.39) 156.17,13.39 158.86,10.69
  Bottom w0.5: v1(187.81,26.51) 187.8,26.52 183.74,26.52
  vias: v1(175.98,71.44) v1(175.98,70.17) v1(177.76,70.17)
+12V: length 266
  Top w0.25: 38.21,6.99 C11.2 ; 37.33,6.99 32.38,6.99
  Top w0.4: 132.6,72.19 132.81,71.98 C35.2 136.45,71.98 v1(138.3,73.83) ; 132.6,72.19 U11.16 ; 132.6,72.19 U11.1 ; 121.28,27.07 121.71,26.64 123.84,26.64
  Top w0.5: U4.4 21.95,45.97 C10.2 18.94,46.33 v1(18.92,46.36) ; J5.5 60.37,80.56 U10.1 U10.16 55.25,80.39 55.25,78.28
  Top w0.8: J3.3 15.64,71.18 C19.1 22.01,67.52 U8.3 ; D1.2 3.4,80.79 3.4,82.22 4.71,83.53 J3.1 16.99,84.88 22.49,84.88 U9.16 28.78,91.16 30.91,91.16 U9.14 33.86,91.16 35.99,91.16 U9.12 38.94,91.16 41.07,91.16 U9.10 ; U5.16 v1(30.23,6.99)
  Top w1: 179.91,73.36 183.58,73.36 184.86,72.09 184.86,68 180.56,63.7 154.99,63.7 153.23,65.47 147.89,65.47 D7.2 v1(139.9,65.35)
  Bottom w0.8: J3.3 J3.1
  Bottom w1: J4.1 111.17,85.55 126.59,85.55 v1(138.3,73.83) 139.9,72.23 v1(139.9,65.35) 139.9,63.7 124.15,47.96 124.15,37.98 126.56,35.57 126.56,29.03 124.2,26.67 123.86,26.67
  vias: v1(11.05,81.53) v1(11.05,79.25) v1(11.05,77.22) v1(13.34,81.53) v1(13.34,79.25) v1(13.34,77.22)
/Telemetry/3V3_LED: length 25.4
  Top w0.4: 127.99,15.88 127.99,16.74 128.39,17.14 131.48,17.14 131.61,17.28 131.61,25.27 127.67,29.21 121.03,29.21 120.69,29.55
GND: length 362.9
  Top w0.25: v1(168.56,43.02) 168.56,40.77 U17.63 168.55,38.55 C49.2 ; 169.4,54.31 169.4,56.35 v1(169.44,56.39) ; v1(25.91,32.04) R17.2 R18.2 ; 82.17,52.09 C28.2 ; 82.17,52.09 U7.38 ; 82.17,52.09 82.68,52.09 v1(83,51.77) ; C56.1 v1(51.76,38.81) ; v1(147.81,56.96) 147.81,58.5 ; Q3.2 97.71,27.66 v1(97.73,27.64) ; Q1.2 106.09,27.66 v1(106.12,27.64) ; U17.31 162.05,53.32 C52.2 ; v1(59.89,45.42) 59.82,45.34 C25.2 60.75,43 U7.83 ; C50.2 168.55,53.47 U17.18 ; v1(93.67,27.64) 93.65,27.66 Q2.2 ; 156.88,7.62 v1(148.28,7.62) ; Q6.2 109.1,27.32 v1(108.15,26.37) ; C9.1 32.26,32.51 v1(32.26,32.04) 32.26,29.5 R19.2 ; C17.2 87.88,33.27 v1(89.66,35.05) ; C31.2 C14.1 67.46,56.88 v1(66.61,57.74) ; SW1.1 91.8,66.82 C12.2 ; v1(70.31,30.19) 70.65,29.85 70.65,28.61 U7.120 70.67,27.79 68.96,26.08 C21.2 ; 156.72,43.04 156.84,43.16 159.59,43.16 ; 156.88,2.54 v1(148.46,2.54) ; C7.1 27.18,35.85 ; 27.18,35.85 C8.1 ; 27.18,35.85 v1(27.18,37.12) ; 126.28,68.62 126.28,69.85 v1(125.61,70.52) ; U7.16 87.58,38 C26.2 87.88,37.1 v1(88.21,36.78) ; v1(124.98,80.52) 124.98,78.98 ; U4.11 30.04,46.36 v1(33.02,46.36) ; 117.99,67.68 118.02,67.65 119.69,67.65 ; v1(72.64,26.8) 73.64,25.8 C20.2 73.64,25.76 75.67,27.79 U7.130 ; v1(123.74,75.54) 123.74,73.57 ; v1(35.56,3.81) 35.46,3.91 R5.2 ; v1(76.48,57.89) C23.2 C29.2 75.67,52.41 U7.51 ; v1(19.56,26.67) 19.56,26.93 20.83,28.2 R16.2 ; v1(8.83,79.45) 7.35,79.45 R2.2 ; C18.2 80.62,24.97 82.77,22.82 ; 170.94,48.16 168.57,48.16 v1(168.55,48.13) ; C10.1 21.6,49.65 v1(20.95,50.29) ; v1(162.94,57.56) 162.92,57.54 162.92,54.18 ; C6.1 v1(22.1,37.12) ; C1.2 88.77,21.21 v1(91.06,23.5) ; Q4.2 101.77,27.66 v1(101.8,27.64) ; v1(130.09,70.46) 130.09,68.62 ; 83.06,22.71 83.67,22.71 83.69,22.69 84.54,22.69 v1(84.96,23.11) ; v1(167.17,30.53) 167.19,30.56 167.19,34.44 ; U7.61 70.67,51.96 C30.2 71.92,56.62 C32.2 v1(71.9,57.94) ; U7.107 60.47,31 C22.2 58.11,32.32 v1(58.11,33.23) 58.22,33.23 C16.1 ; v1(88.21,61.29) 88.39,61.11 C33.2 ; C57.1 v1(41.6,38.81) ; C55.1 v1(56.84,38.81) ; U7.31 86.34,45.5 C27.2 88.31,47.94 v1(89.31,48.94) ; v1(58.11,40.59) 59.33,39.37 C24.2 60.59,39.37 62.45,37.5 U7.94 ; v1(127.52,80.52) 127.52,78.98 ; C53.1 v1(46.68,38.81) ; R27.2 R39.2 ; v1(130.06,80.52) 130.06,78.98
  Top w0.4: U3.2 91.49,14.89 C4.1 ; 135.93,21.59 135.93,22.87 v1(135.91,22.89) ; 125.91,15.88 125.91,13.64 124.85,12.57 ; 120.69,32.68 122.93,32.68 123.86,31.75 ; C5.1 100.29,14.89 100.29,12.26 ; v1(90.84,5.49) C2.2 ; C59.2 v1(99.66,5.39)
  Top w0.5: R56.2 R57.2 51.7,85.36 v1(53.34,87) ; v1(119.04,25.18) 119.04,26.68 ; Q5.2 107.07,69.09 R10.1 107.12,68.8 v1(107.89,68.02) ; R75.2 102.05,70.31 102.56,70.82 v1(103.41,70.82) ; v1(58.65,78.11) C34.1 ; 159.78,15.26 159.78,17.57 v1(159.79,17.58) ; v1(160.97,24.53) 161.98,25.54 161.98,25.72 161.98,25.72 161.98,27.26 ; 159.08,72.03 159.08,73.55 v1(159.07,73.56) ; U5.14 34.92,9.53 v1(35.56,10.16) ; U19.2 148.16,46.3 C54.1 149.26,45.9 v1(150.06,46.7) ; v1(47.44,26.62) 47.95,26.62 48.27,26.93 48.27,28.3 ; v1(50.92,4.32) U6.2 ; 43.19,28.3 43.19,27.19 42.62,26.62 v1(42.16,26.62) ; v1(155.17,56.4) 155.24,56.34 155.24,53.16 ; v1(52.5,26.52) 52.8,26.52 53.33,27.05 53.33,28.19 ; U20.2 148.16,38.8 C58.1 ; v1(182.92,69.82) 182.91,69.84 182.91,71.14 ; R31.2 v1(54.3,34.27) ; U10.11 53.47,86.87 ; U5.11 30.23,13.34 v1(29.84,13.72) ; v1(49.24,34.24) 49.24,35.75 ; v1(42.55,3.81) 42.55,4.72 C11.1 ; v1(44.16,33.89) 44.14,33.91 44.14,35.43 ; R58.2 R59.2 ; v1(138.45,21.21) 139.74,19.92 140.37,19.92 ; U6.4 v1(56,4.32) ; v1(146.93,32.3) 146.94,32.3 146.94,30.78 ; 146.95,30.78 146.95,28.28 147.98,27.26 ; U5.8 v1(37.47,17.14) ; 38.11,28.19 38.11,27.06 37.56,26.52 v1(37.15,26.52) ; v1(61.08,4.32) U6.6 ; 161.98,15.26 161.98,17.56 v1(162,17.58) ; U10.14 53.47,83.06 ; 51.32,80.91 v1(53.34,82.93) ; v1(138.66,39.44) C61.2 ; v1(62.48,89.53) 62.36,89.41 U10.8 ; v1(66.16,4.32) U6.8 ; C60.2 v1(138.76,46.94)
  Top w0.8: C15.2 93.22,43.99 93.76,43.99 v1(93.81,43.94) 93.86,43.99 Y4.4 ; C44.1 175.92,48.3 v1(176.81,48.3) Y3.4 ; C43.1 178.82,41.39 Y2.2 176.76,39.53 C42.1 v1(178.06,39.19) ; Y3.2 182.75,46 v1(182.81,45.94) 182.87,46 183.7,46 183.81,46.11 ; v1(34.92,78.11) U9.4 ; R49.1 11.41,43.56 J7.10 ; v1(173.51,42.44) 173.56,42.49 Y2.4 ; U9.6 v1(40,78.11) ; Y4.2 97.8,47.23 99.06,47.23 C13.2 ; J3.4 18.64,70.25 C19.2 26.34,69.6 27.71,68.22 U8.1 ; v1(29.84,78.11) U9.2 ; C51.2 154.91,43.02 v1(154.88,43) ; v1(45.08,78.11) U9.8
  Bottom w0.25: 160.86,10.69 v1(162.78,10.69)
  Bottom w0.8: R1.2 35.92,9.79 v1(35.56,10.16) ; R3.2 R4.2 36.47,18.14 v1(37.47,17.14)
  vias: v1(28.83,69.34) v1(30.86,68.58) v1(30.86,66.04) v1(32.89,69.34) v1(34.92,68.58) v1(34.92,66.04) v1(99.81,47.94) v1(117.93,67.64) v1(171.91,66.87) v1(171.91,65.6) v1(173.44,66.87) v1(173.44,65.6) v1(174.71,66.87) v1(174.71,65.6)
/APPS_1_IN: length 26.4
  Top w0.25: 33.53,30.23 33.53,30.17 34.93,28.77 34.93,22.44 J1.5 ; R19.1 R23.1
/APPS_2_IN: length 21.8
  Top w0.25: J1.6 29.81,20.32 29.81,28.23 ; 29.81,28.23 R22.1 ; 29.81,28.23 R18.1
/BMS_LED: length 44.2
  Top w0.4: R6.1 v1(104.08,41.1)
  Bottom w0.4: J2.9 99.06,78.51 99.06,52.7 104.78,46.99 104.78,41.79 v1(104.08,41.1)
/BPS_IN: length 23.8
  Top w0.25: R20.1 R16.1 20.57,30.23 16.89,26.55 16.89,13.4 J1.8
/BRAKE_PRESSED: length 13.2
  Top w0.25: J5.2 71.07,85.09 62.86,85.09 62.1,84.33 U10.4
/CAN_C_H: length 98
  Top w0.4: R15.2 100.29,6.15 100.29,9.62 v1(100.36,9.69)
  Top w0.5: v1(105.16,14.99) 114.36,14.99 117.06,17.69 117.06,38.69 117.66,39.29 131.36,39.29 134.61,36.04 136.66,36.04 R84.2 139.42,38.8 U20.7
  Bottom w0.4: J6.3 79.68,12.27 82.26,9.69 v1(100.36,9.69) 103.26,9.69 105.16,11.59 v1(105.16,14.99)
/CAN_C_L: length 102
  Top w0.4: v1(98.96,8.89) 99.02,8.82 U18.6 99.02,6.15 R85.1
  Top w0.5: U20.6 139.42,40.07 R87.1 136.66,42.84 134.01,42.84 131.36,40.19 117.26,40.19 116.16,39.09 116.16,17.89 114.06,15.79 106.01,15.79 v1(105.96,15.84)
  Bottom w0.4: v1(105.96,15.84) 105.96,11.09 103.76,8.89 v1(98.96,8.89) 81.86,8.89 79.96,10.79 77.45,10.79 J6.4
/CAN_S_H: length 105.5
  Top w0.4: U3.7 91.49,8.05 ; U3.7 91.49,6.13 R14.2 ; U3.7 91.49,7.9 90.51,8.89 88.46,8.89 v1(87.46,7.89)
  Top w0.5: v1(106.76,17.29) 113.66,17.29 114.56,18.19 114.56,40.29 116.56,42.29 129.86,42.29 131.11,43.54 136.66,43.54 R83.2 138.41,44.69 140.02,46.3 U19.7
  Bottom w0.4: J6.1 78.97,8.28 79.36,7.89 v1(87.46,7.89) 103.76,7.89 106.76,10.89 v1(106.76,17.29)
/CAN_S_L: length 111.8
  Top w0.4: 85.56,7.12 v1(85.56,7.09) 85.56,5.76 86.81,4.51 86.83,4.54 R12.1 90.22,6.17 90.22,7.31
  Top w0.5: v1(107.56,18.29) 113.26,18.29 113.76,18.79 113.76,40.69 116.16,43.09 129.46,43.09 134.06,47.69 134.06,49.24 135.31,50.49 136.36,50.49 137.66,49.19 R86.1 138.49,49.19 140.11,47.57 U19.6
  Bottom w0.4: J6.2 78.15,7.09 103.96,7.09 107.56,10.69 v1(107.56,18.29)
/DRS_BTN: length 178.4
  Top w0.25: v1(29.84,16) 29.97,15.88 U5.9
  Bottom w0.25: J2.3 95.53,85.09 100,85.09 101.8,83.29 101.8,56.34 109.85,48.28 109.85,9.53 102.24,1.91 50.8,1.91 50.17,2.54 50.16,2.54 39.5,13.21 34.42,13.21 32.38,15.24 R3.1 ; v1(29.84,16) 32.24,16
/DRS_LED: length 49
  Top w0.4: v1(91.81,38.44) 91.89,38.52 R7.1
  Bottom w0.4: J2.6 96.46,72.11 96.46,43.13 91.81,38.47 v1(91.81,38.44)
/DRS_LED_ON: length 8
  Top w0.25: U7.3 86.25,31.5 90.09,27.66 Q2.1
/DRS_PWM: length 21.9
  Top w0.25: U10.10 56.64,88.14 v1(57.78,87)
  Bottom w0.25: v1(57.78,87) 66.04,78.74 70.77,78.74 J5.6
/EEPROM_SCL: length 22.8
  Top w0.25: R46.2 70.05,22.46 75.33,22.46 75.62,22.17 78.3,22.17 v1(78.74,22.61) ; U7.139 80.17,29.39 81,30.23 v1(82.3,30.23)
  Bottom w0.25: v1(78.74,22.61) 82.3,26.16 v1(82.3,30.23)
/EEPROM_SDA: length 22.1
  Top w0.25: R45.1 64.08,22.91 76.9,22.91 76.99,22.82 76.99,23.27 80.67,26.94 U7.140
/EEPROM_WC: length 63.2
  Top w0.25: v1(62.56,26.44) 62.56,24.94 59.84,22.22 v1(51.18,22.22) ; U7.96 64.49,36.5 v1(64.81,36.19) ; 76.99,21.52 78.68,21.52 v1(78.74,21.46)
  Bottom w0.25: v1(62.56,26.44) 62.56,33.94 v1(64.81,36.19) ; v1(51.18,22.22) 50.58,21.63 50.58,17.61 51.13,17.05 74.33,17.05 v1(78.74,21.46)
